# Allegro board rpi-cm4-carrierboard.brd
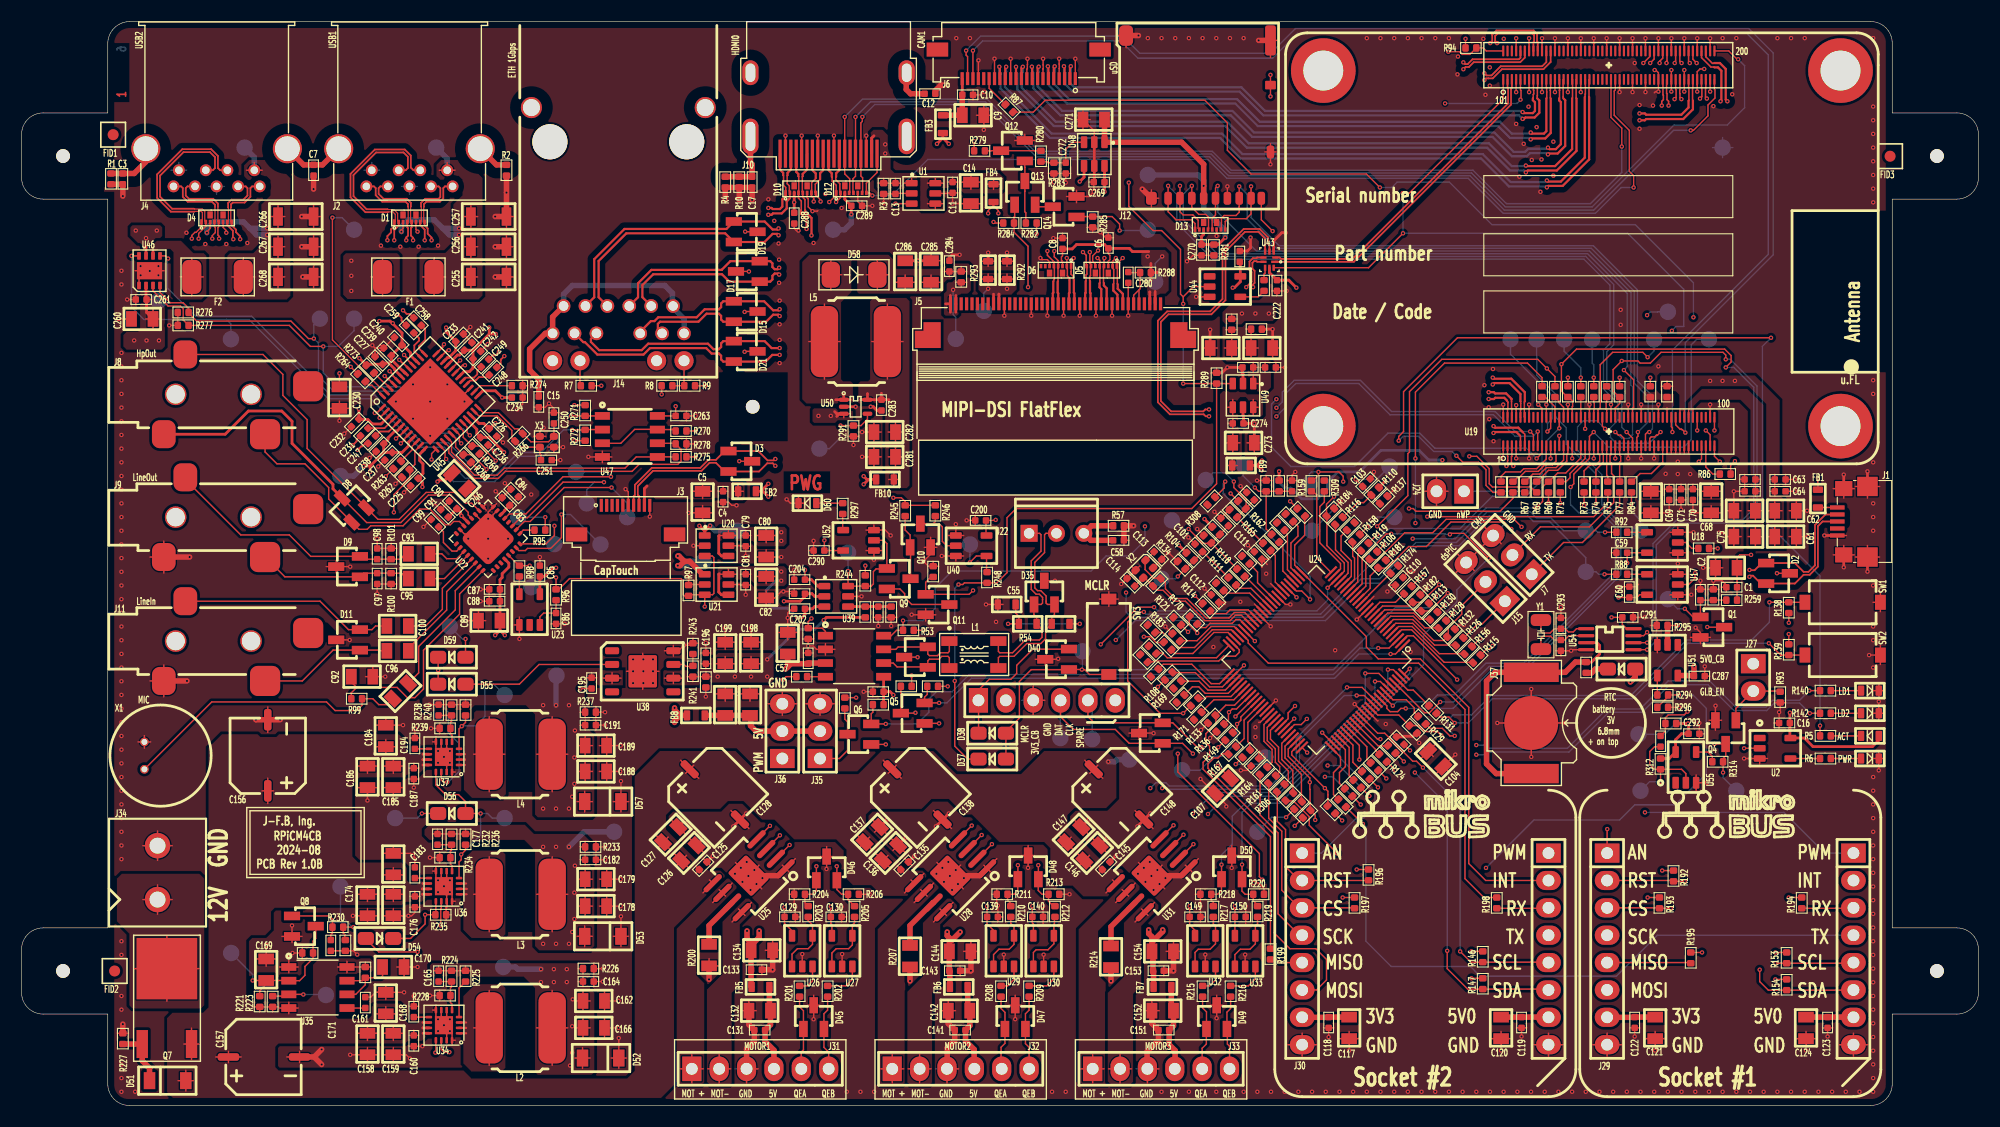
[diagram p0: board, top side]
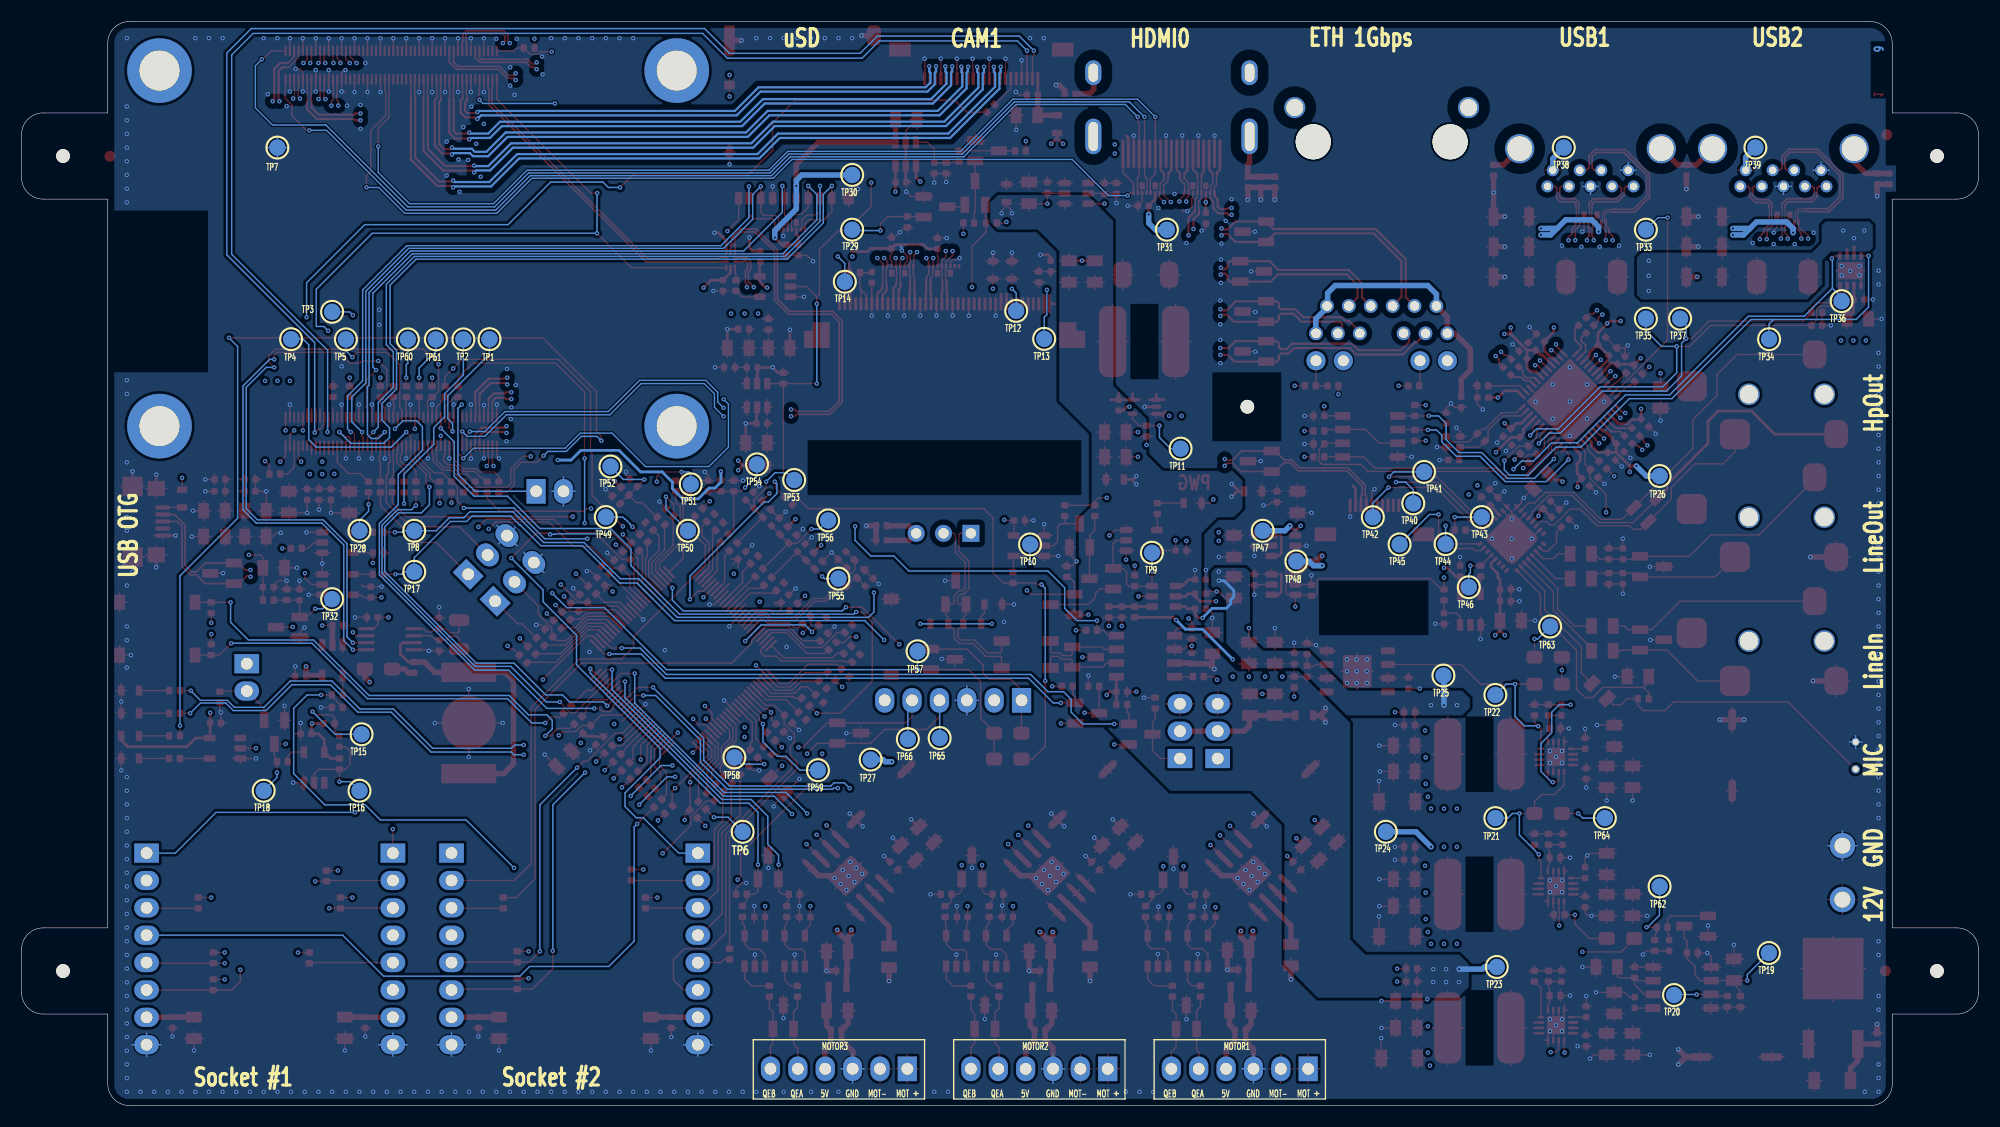
[diagram p1: board, bottom side, seen from below]

Outline 181.6 x 100.6 mm; copper layers: TOP, GND_INNER1, SIG_INNER2, POW_INNER3, GND_INNER4, BOTTOM. Coordinates in mm from the lower left corner of the outline.
Outline path: 0,90.12 0,86.12 arc(0.59,84.71) 2,84.12 8,84.12 8,16.48 2,16.48 arc(0.59,15.89) 0,14.48 0,10.48 arc(0.59,9.07) 2,8.48 8,8.48 8,2 arc(8.59,0.59) 10,0 171.6,0 arc(173.01,0.59) 173.6,2 173.6,8.48 179.6,8.48 arc(181.01,9.07) 181.6,10.48 181.6,14.48 arc(181.01,15.89) 179.6,16.48 173.6,16.48 173.6,84.12 179.6,84.12 arc(181.01,84.71) 181.6,86.12 181.6,90.12 arc(181.01,91.53) 179.6,92.12 173.6,92.12 173.6,98.6 arc(173.01,100.01) 171.6,100.6 10.05,100.6 arc(8.6,100) 8,98.55 8,92.12 2,92.12 arc(0.59,91.53) 0,90.12

## Design rules (mm)
constraint set DEFAULT: min track width 0.127
net group I2C0[0..1]: nets I2C0.SCL I2C0.SDA
net group I2C3[0..1]: nets I2C3.SCL I2C3.SDA
net group PCIE[0..7]: nets PCIE.PCIE_CLK_NREQ PCIE.PCIE_NRST
net group CAN_CTRL[0..2]: nets CAN_CTRL.RXD CAN_CTRL.STBY CAN_CTRL.TXD
net group DP_90R_NET: nets PCIE.PCIE_CLK_N PCIE.PCIE_CLK_P PCIE.PCIE_RX_N PCIE.PCIE_RX_P PCIE.PCIE_TX_N PCIE.PCIE_TX_P PETX_N PETX_P U3TD1_N U3TD1_P U3TD2_N U3TD2_P USB3_0.U2_N USB3_0.U2_P USB3_0.U3RXD_N USB3_0.U3RXD_P USB3_0.U3TXD_N USB3_0.U3TXD_P USB3_1.U2_N USB3_1.U2_P USB3_1.U3RXD_N USB3_1.U3RXD_P USB3_1.U3TXD_N USB3_1.U3TXD_P USB.USB_N USB.USB_P USB_HOST.USB_N USB_HOST.USB_P USB_OTG.USB_N USB_OTG.USB_P
net group DP_100R_NET: nets CAM1.CLK_N CAM1.CLK_P CAM1.D0_N CAM1.D0_P CAM1.D1_N CAM1.D1_P CAM1.D2_N CAM1.D2_P CAM1.D3_N CAM1.D3_P DSI1.CLK_N DSI1.CLK_P DSI1.D0_N DSI1.D0_P DSI1.D1_N DSI1.D1_P DSI1.D2_N DSI1.D2_P DSI1.D3_N DSI1.D3_P ETH.ETH_0_N ETH.ETH_0_P ETH.ETH_1_N ETH.ETH_1_P ETH.ETH_2_N ETH.ETH_2_P ETH.ETH_3_N ETH.ETH_3_P HDMI0.CLK_N HDMI0.CLK_P HDMI0.D0_N HDMI0.D0_P HDMI0.D1_N HDMI0.D1_P HDMI0.D2_N HDMI0.D2_P
net group DP_120R_NET: nets CAN_BUS.CAN_H CAN_BUS.CAN_L CAN_H CAN_L
net group ETH[0..10]: nets ETH.ETH_NLED1 ETH.ETH_NLED2 ETH.ETH_NLED3
net group HDMI0[0..11]: nets HDMI0.CEC HDMI0.HPD HDMI0.SCL HDMI0.SDA
net group I2S[0..3]: nets I2S.I2S_COFS I2S.I2S_DIN I2S.I2S_DOUT I2S.I2S_SCLK
net group JTAG[0..6]: nets JTAG.DSPIC_TDI JTAG.RTCK JTAG.TCK JTAG.TDI JTAG.TDO JTAG.TMS JTAG.TRST
net group MKB1[0..11]: nets MKB1.AN MKB1.CSN MKB1.INT MKB1.MISO MKB1.MOSI MKB1.PWM MKB1.RSTN MKB1.RX MKB1.SCK MKB1.SCL MKB1.SDA MKB1.TX
net group MKB2[0..11]: nets MKB2.AN MKB2.CSN MKB2.INT MKB2.MISO MKB2.MOSI MKB2.PWM MKB2.RSTN MKB2.RX MKB2.SCK MKB2.SCL MKB2.SDA MKB2.TX
net group MOTOR1[0..4]: nets MOTOR1.FAULTN MOTOR1.PWMH MOTOR1.PWML MOTOR1.QEIA MOTOR1.QEIB
net group MOTOR2[0..4]: nets MOTOR2.FAULTN MOTOR2.PWMH MOTOR2.PWML MOTOR2.QEIA MOTOR2.QEIB
net group MOTOR3[0..4]: nets MOTOR3.FAULTN MOTOR3.PWMH MOTOR3.PWML MOTOR3.QEIA MOTOR3.QEIB
net group SDIO[0..5]: nets SDIO.CLK SDIO.CMD SDIO.D0 SDIO.D1 SDIO.D2 SDIO.D3
net group SPI2[0..3]: nets SPI2.CSN SPI2.SCLK SPI2.SDI SPI2.SDO
net group USB[0..2]: nets USB.OTG_ID
net group USB_OTG[0..2]: nets USB_OTG.OTG_ID

## Placement (name value [footprint] x y rotation side)
C1  0.1u  [0402_CAP_IPC]  158.2 48.1 0 top
C2  1u  [0805_CAP]  159.1 49.9 180 top
C3  NP  [0402_CAP_IPC]  9.4 86.5 270 top
C4  0.1u  [0402_CAP_IPC]  65.1 56 90 top
C5  1u  [0805_CAP]  63.2 56.9 270 top
C6  0.1u  [0402_CAP_IPC]  100.85 80.55 270 top
C7  NP  [0402_CAP_IPC]  27.1 87.3 270 top
C8  0.1u  [0402_CAP_IPC]  96.6 80.5 270 top
C9  1u  [0805_CAP]  87.4 91.9 0 top
C10  0.1u  [0402_CAP_IPC]  88.3 93.8 180 top
C11  0.1u  [0402_CAP_IPC]  86.4 84.7 90 top
C12  NP  [0402_CAP_IPC]  83.8 93.9 0 top
C13  0.1u  [0402_CAP_IPC]  81.1 84.6 90 top
C14  1u  [0805_CAP]  88.1 85.6 270 top
C15  0.1u  [0402_CAP_IPC]  48 65.8 270 top
C16  0.1u  [0402_CAP_IPC]  163.1 35.5 0 top
C17  NP  [0402_CAP_IPC]  67.8 85.2 90 top
C54  0.1u  [0402_CAP_IPC]  79 38.4 0 top
C55  100p  [0603_CAP_IPC]  90.6 46.5 0 top
C56  0.1u  [0402_CAP_IPC]  73 42 270 top
C57  1u  [0805_CAP]  71.1 42 90 top
C58  NP  [0402_CAP_IPC]  101.3 52.45 0 top
C59  0.1u  [0402_CAP_IPC]  149 51.3 180 top
C60  0.1u  [0402_CAP_IPC]  149.2 47.15 90 top
C61  10u  [0805_CAP]  162.8 52.8 0 top
C62  1u  [0805_CAP]  162.8 55.2 0 top
C63  0.1u  [0402_CAP_IPC]  163.7 58.1 180 top
C64  0.1u  [0402_CAP_IPC]  163.7 57 180 top
C65  10u  [0805_CAP]  151.2 56.9 270 top
C68  1u  [0805_CAP]  156.8 56.9 270 top
C69  0.1u  [0402_CAP_IPC]  152.9 56.2 90 top
C70  0.1u  [0402_CAP_IPC]  155.1 56.2 90 top
C71  0.1u  [0402_CAP_IPC]  154 56.2 90 top
C75  10u  [0805_CAP]  160.8 52.8 180 top
C76  1u  [0805_CAP]  160.8 55.2 180 top
C77  0.1u  [0402_CAP_IPC]  159.9 57 0 top
C78  0.1u  [0402_CAP_IPC]  159.9 58.1 0 top
C79  0.1u  [0402_CAP_IPC]  67.2 51.9 90 top
C80  1u  [0805_CAP]  69.1 52.8 270 top
C81  0.1u  [0402_CAP_IPC]  67.2 48.3 90 top
C82  1u  [0805_CAP]  69.1 49 270 top
C83  1nF  [0402_CAP_IPC]  45.3 55.7 135 top
C84  0.1u  [0402_CAP_IPC]  45.4 57.2 315 top
C85  0.1u  [0402_CAP_IPC]  48.1 50.1 270 top
C86  0.1u  [0402_CAP_IPC]  49.6 44.7 90 top
C87  1nF  [0402_CAP_IPC]  44.4 47.9 180 top
C88  0.1u  [0402_CAP_IPC]  43.4 46.8 0 top
C89  10u  [0805_CAP]  44.3 45 180 top
C90  0.1u  [0402_CAP_IPC]  39.7 56.1 315 top
C91  1nF  [0402_CAP_IPC]  39.6 54.6 135 top
C92  1u  [0805_CAP]  32.5 39.8 180 top
C93  1u  [0805_CAP]  36 51.2 0 top
C94  1u  [0805_CAP]  35.8 39.1 225 top
C95  1u  [0805_CAP]  36 48.9 0 top
C96  1u  [0805_CAP]  35.8 42.2 180 top
C97  220pF  [0402_CAP_IPC]  33 49.4 270 top
C98  220pF  [0402_CAP_IPC]  33 50.7 90 top
C99  0.1u  [0402_CAP_IPC]  38 54.4 315 top
C100  1u  [0805_CAP]  35.8 44.5 180 top
C101  1nF  [0402_CAP_IPC]  109.6 51.4 135 top
C102  1nF  [0402_CAP_IPC]  112 53.8 135 top
C103  1nF  [0402_CAP_IPC]  124.45 57.45 45 top
C104  10u  [0805_CAP]  130.6 32.8 315 top
C107  1u  [0805_CAP]  112.1 30.3 225 top
C108  0.1u  [0402_CAP_IPC]  114.1 31.5 45 top
C109  0.1u  [0402_CAP_IPC]  128.3 33.5 135 top
C110  0.1u  [0402_CAP_IPC]  128.2 49 225 top
C111  0.1u  [0402_CAP_IPC]  114.4 51.4 315 top
C112  0.1u  [0402_CAP_IPC]  110.4 47.4 315 top
C113  13pF  [0402_CAP_IPC]  105.1 51.4 315 top
C114  13pF  [0402_CAP_IPC]  103.3 48.2 135 top
C115  1nF  [0402_CAP_IPC]  114.4 56.2 135 top
C116  1nF  [0402_CAP_IPC]  117.9 57 90 top
C117  1u  [0805_CAP]  123.2 8.1 270 top
C118  0.1u  [0402_CAP_IPC]  121.3 7.2 90 top
C119  0.1u  [0402_CAP_IPC]  139.2 7.2 90 top
C120  1u  [0805_CAP]  137.3 8.1 270 top
C121  1u  [0805_CAP]  151.6 8.1 270 top
C122  0.1u  [0402_CAP_IPC]  149.7 7.2 90 top
C123  0.1u  [0402_CAP_IPC]  167.6 7.2 90 top
C124  1u  [0805_CAP]  165.6 8.1 270 top
C125  0.1u  [0402_CAP_IPC]  63.6 22.6 225 top
C126  1u  [0805_CAP]  61.3 22.8 45 top
C127  10u  [0805_CAP]  59.6 24.5 45 top
C128  100uF  [ALUM_CAP_6_6MM]  62 31.2 315 top
C129  0.1u  [0402_CAP_IPC]  71.8 17.5 180 top
C130  0.1u  [0402_CAP_IPC]  76.1 17.5 180 top
C131  0.1u  [0402_CAP_IPC]  68 7 0 top
C132  1u  [0805_CAP]  69.4 8.8 180 top
C133  0.1u  [0402_CAP_IPC]  68.7 12.6 180 top
C134  1u  [0805_CAP]  67.8 14.4 0 top
C135  0.1u  [0402_CAP_IPC]  82.3 22.6 225 top
C136  1u  [0805_CAP]  80 22.8 45 top
C137  10u  [0805_CAP]  78.3 24.5 45 top
C138  100uF  [ALUM_CAP_6_6MM]  80.8 31.2 315 top
C139  0.1u  [0402_CAP_IPC]  90.6 17.5 180 top
C140  0.1u  [0402_CAP_IPC]  94.8 17.5 180 top
C141  0.1u  [0402_CAP_IPC]  86.6 7 0 top
C142  1u  [0805_CAP]  87.9 8.8 180 top
C143  0.1u  [0402_CAP_IPC]  87.1 12.5 180 top
C144  1u  [0805_CAP]  86.2 14.3 0 top
C145  0.1u  [0402_CAP_IPC]  101 22.6 225 top
C146  1u  [0805_CAP]  98.7 22.8 45 top
C147  10u  [0805_CAP]  97 24.5 45 top
C148  100uF  [ALUM_CAP_6_6MM]  99.5 31.2 315 top
C149  0.1u  [0402_CAP_IPC]  109.4 17.5 180 top
C150  0.1u  [0402_CAP_IPC]  113.6 17.5 180 top
C151  0.1u  [0402_CAP_IPC]  105.5 7 0 top
C152  1u  [0805_CAP]  106.8 8.8 180 top
C153  0.1u  [0402_CAP_IPC]  106 12.5 180 top
C154  1u  [0805_CAP]  105 14.3 0 top
C156  100uF  [ALUM_CAP_6_6MM]  22.85 29.2 90 top
C157  100uF  [ALUM_CAP_6_6MM]  19.2 4.5 0 top
C158  10u  [0805_CAP]  32.1 6.6 270 top
C159  1u  [0805_CAP]  34.5 6.6 270 top
C160  0.1u  [0402_CAP_IPC]  36.4 5.5 90 top
C161  10u  [0805_CAP]  33.8 8.6 90 top
C162  10u  [0805_CAP]  52.2 9.7 0 top
C164  0.1u  [0402_CAP_IPC]  53.1 11.5 180 top
C165  NP  [0402_CAP_IPC]  38.7 11.5 90 top
C166  10u  [0805_CAP]  52.2 7.2 0 top
C168  10nF  [0402_CAP_IPC]  36.4 9.2 270 top
C169  1u  [0805_CAP]  22.7 11.7 90 top
C170  10u  [0805_CAP]  33.6 12.85 0 top
C171  10nF  [0402_CAP_IPC]  31.9 9.05 90 top
C172  0.1u  [0402_CAP_IPC]  28.7 14.35 90 top
C173  10u  [0805_CAP]  32.1 19.5 270 top
C174  10u  [0805_CAP]  34.5 21.5 90 top
C175  1u  [0805_CAP]  34.5 19.5 270 top
C176  0.1u  [0402_CAP_IPC]  36.5 18.4 90 top
C177  NP  [0402_CAP_IPC]  38.6 24.2 90 top
C178  10u  [0805_CAP]  52.4 18.5 0 top
C179  10u  [0805_CAP]  52.4 21 0 top
C182  0.1u  [0402_CAP_IPC]  53.3 22.8 180 top
C183  10nF  [0402_CAP_IPC]  36.5 22.1 270 top
C184  10u  [0805_CAP]  33.8 33.4 90 top
C185  1u  [0805_CAP]  34.5 31.4 270 top
C186  10u  [0805_CAP]  32.1 31.4 270 top
C187  0.1u  [0402_CAP_IPC]  36.4 30.3 90 top
C188  10u  [0805_CAP]  52.4 31 0 top
C189  10u  [0805_CAP]  52.4 33.4 0 top
C191  0.1u  [0402_CAP_IPC]  53.3 35.3 180 top
C192  NP  [0402_CAP_IPC]  38.7 36.2 90 top
C194  10nF  [0402_CAP_IPC]  36.5 34.1 270 top
C195  0.1u  [0402_CAP_IPC]  52.9 39.7 270 top
C196  0.1u  [0402_CAP_IPC]  63.5 42 270 top
C198  10u  [0805_CAP]  67.7 41.1 90 top
C199  10u  [0805_CAP]  65.3 41.1 90 top
C200  0.1u  [0402_CAP_IPC]  89.5 54.3 180 top
C201  1nF  [0402_CAP_IPC]  79.5 46.3 270 top
C202  1nF  [0402_CAP_IPC]  72.7 46.1 180 top
C203  1nF  [0402_CAP_IPC]  72.7 47.5 180 top
C204  1nF  [0402_CAP_IPC]  72.7 48.8 180 top
C205  1u  [0805_CAP]  67.6 36.3 90 top
C206  1u  [0805_CAP]  65.3 36.3 90 top
C222  0.1u  [0402_CAP_IPC]  116.5 75.6 90 top
C223  0.1u  [0402_CAP_IPC]  155.8 47.9 270 top
C224  0.1u  [0402_CAP_IPC]  113.05 79.3 270 top
C225  0.1u  [0402_CAP_IPC]  36.1 57.5 45 top
C226  0.1u  [0402_CAP_IPC]  44.1 62.1 135 top
C227  0.1u  [0402_CAP_IPC]  32.8 69.5 315 top
C230  10u  [0805_CAP]  29.5 66.6 270 top
C231  0.1u  [0402_CAP_IPC]  31.45 62.15 45 top
C232  0.1u  [0402_CAP_IPC]  30.6 63 45 top
C233  0.1u  [0402_CAP_IPC]  41 71.6 225 top
C234  0.1u  [0402_CAP_IPC]  46.5 65.7 180 top
C236  0.1u  [0402_CAP_IPC]  43.3 61.3 135 top
C237  0.1u  [0402_CAP_IPC]  33.7 59.9 45 top
C238  0.1u  [0402_CAP_IPC]  32.9 60.7 45 top
C239  0.1u  [0402_CAP_IPC]  33.6 70.3 315 top
C240  0.1u  [0402_CAP_IPC]  34.6 71.3 315 top
C241  0.1u  [0402_CAP_IPC]  41.8 70.8 225 top
C242  0.1u  [0402_CAP_IPC]  42.6 70 225 top
C246  10u  [0805_CAP]  40 58.6 315 top
C247  0.1u  [0402_CAP_IPC]  32.15 61.45 45 top
C248  0.1u  [0402_CAP_IPC]  43.4 67.8 45 top
C249  0.1u  [0402_CAP_IPC]  42.65 68.55 45 top
C250  13pF  [0402_CAP_IPC]  49.4 63.3 90 top
C251  13pF  [0402_CAP_IPC]  48.2 59.9 0 top
C255  47u  [1206_CAP]  41.9 76.9 0 top
C256  47u  [1206_CAP]  41.9 79.7 0 top
C257  47u  [1206_CAP]  41.9 82.5 0 top
C258  0.1u  [0402_CAP_IPC]  37.1 72.4 135 top
C259  0.1u  [0402_CAP_IPC]  36.4 71.7 135 top
C260  1u  [0805_CAP]  12.1 73 180 top
C261  0.1u  [0402_CAP_IPC]  10.6 74.8 0 top
C263  0.1u  [0402_CAP_IPC]  61.7 64 180 top
C266  47u  [1206_CAP]  24 82.5 0 top
C267  47u  [1206_CAP]  24 79.7 0 top
C268  47u  [1206_CAP]  24 76.9 0 top
C269  0.1u  [0402_CAP_IPC]  99.5 85.7 0 top
C270  0.1u  [0402_CAP_IPC]  109.5 78.9 90 top
C271  10u  [0805_CAP]  100.4 91.5 180 top
C272  NP  [0402_CAP_IPC]  96.9 87.5 270 top
C273  1u  [0805_CAP]  112.5 61.5 0 top
C274  0.1u  [0402_CAP_IPC]  113.4 63.3 180 top
C275  0.1u  [0402_CAP_IPC]  113.3 68.5 0 top
C276  0.1u  [0402_CAP_IPC]  116.4 68.5 180 top
C277  1u  [0805_CAP]  112.2 70.3 180 top
C279  10u  [0805_CAP]  114.2 70.3 0 top
C280  0.1u  [0402_CAP_IPC]  102.7 76.35 90 top
C281  1u  [0805_CAP]  81 60.2 180 top
C282  1u  [0805_CAP]  81 62.5 180 top
C283  0.1u  [0402_CAP_IPC]  79.8 64.5 90 top
C284  0.1u  [0402_CAP_IPC]  86.1 78.4 270 top
C285  1u  [0805_CAP]  84.4 76.5 90 top
C286  1u  [0805_CAP]  82 76.5 90 top
C287  0.1u  [0402_CAP_IPC]  156.2 39.85 180 top
C288  0.1u  [0402_CAP_IPC]  71.7 81.85 90 top
C289  0.1u  [0402_CAP_IPC]  78 83.5 180 top
C290  0.1u  [0402_CAP_IPC]  74.5 51.5 180 top
C291  0.1u  [0402_CAP_IPC]  149.55 45.3 180 top
C292  0.1u  [0402_CAP_IPC]  154.7 34.5 0 top
C293  10p  [0402_CAP_IPC]  142.85 45.25 270 top
C294  0.1u  [0402_CAP_IPC]  152.1 34.3 270 top
C295  10p  [0402_CAP_IPC]  142.85 42.2 90 top
D1  ESD7016MUTAG  [10-UFDFN]  34.6 82 0 top
D2  D1213A-02SOL-7  [SOT23-3]  161.9 50.4 0 top
D3  D1213A-02SOL-7  [SOT23-3]  65.6 60.8 0 top
D4  ESD7016MUTAG  [10-UFDFN]  16.7 82 0 top
D5  ESD7016MUTAG  [10-UFDFN]  101.65 77.9 180 top
D6  ESD7016MUTAG  [10-UFDFN]  97.4 77.9 180 top
D8  D1213A-02SOL-7  [SOT23-3]  30.6 54.1 135 top
D9  D1213A-02SOL-7  [SOT23-3]  31.4 49 180 top
D10  ESD7016MUTAG  [10-UFDFN]  70.9 84.7 0 top
D11  D1213A-02SOL-7  [SOT23-3]  31.4 42.2 180 top
D12  ESD7016MUTAG  [10-UFDFN]  75.6 84.7 0 top
D13  ESD7016MUTAG  [10-UFDFN]  108.9 81.3 0 top
D15  D1213A-02SOL-7  [SOT23-3]  66.1 74.7 0 top
D16  LED_GRN_0603  [0603_LED]  170.7 34.3 0 top
D17  D1213A-02SOL-7  [SOT23-3]  68.5 76.4 180 top
D19  D1213A-02SOL-7  [SOT23-3]  66.1 82.1 0 top
D20  LED_GRN_0603  [0603_LED]  172.35 32.2 180 top
D21  D1213A-02SOL-7  [SOT23-3]  66.1 71 0 top
D34  ESDCAN24-2BLY  [SOT23-3]  84.1 40.6 180 top
D35  ESDCAN24-2BLY  [SOT23-3]  93.9 46.5 90 top
D37  BAT42WS-TP  [SOD323]  91.35 32.15 180 top
D38  BAT42WS-TP  [SOD323]  91.35 34.55 180 top
D39  D1213A-02SOL-7  [SOT23-3]  105.9 33.55 180 top
D40  D1213A-02SOL-7  [SOT23-3]  97.2 40.4 180 top
D41  LED_GRN_0603  [0603_LED]  172.35 38.5 180 top
D43  LED_GRN_0603  [0603_LED]  172.35 36.4 180 top
D45  SM05T1G  [SOT23-3]  72.5 7.1 90 top
D46  D1213A-02SOL-7  [SOT23-3]  73.7 20.9 90 top
D47  SM05T1G  [SOT23-3]  91.2 7.1 90 top
D48  D1213A-02SOL-7  [SOT23-3]  92.4 21 90 top
D49  SM05T1G  [SOT23-3]  109.9 7.1 90 top
D50  D1213A-02SOL-7  [SOT23-3]  111.3 21 90 top
D51  MMSZ5242B  [SOD123]  13.4 2.3 0 top
D52  MMSZ5231B  [SOD123]  53.9 4.4 180 top
D53  MMSZ5226B  [SOD123]  54.1 15.7 180 top
D54  BAT42WS-TP  [SOD323]  31.95 15.5 0 top
D55  BAT42WS-TP  [SOD323]  41.2 39.1 180 top
D56  BAT42WS-TP  [SOD323]  41.2 27.1 180 top
D57  DDZ9678-7  [SOD123]  54.1 28.2 180 top
D58  SK34A-LTP  [DO-214AC]  75.1 77.1 0 top
D59  BAT42WS-TP  [SOD323]  41.2 41.6 180 top
D60  LED_GRN_0603  [0603_LED]  72.1 55.9 0 top
D61  BAT42WS-TP  [SOD323]  149.75 40.5 180 top
F1  MINISMDC050F-2  [1812_PTC]  33.5 76.9 0 top
F2  MINISMDC050F-2  [1812_PTC]  15.8 76.9 0 top
FB1  BLM18PG121SN1D  [0603_FB]  166.7 55.5 90 top
FB2  BLM18PG121SN1D  [0603_FB]  66.5 57 0 top
FB3  BLM18PG121SN1D  [0603_FB]  85.5 91.9 270 top
FB4  BLM18PG121SN1D  [0603_FB]  90.2 85.5 270 top
FB5  BLM18PG121SN1D  [0603_FB]  69.4 11 180 top
FB6  BLM18PG121SN1D  [0603_FB]  87.8 11 180 top
FB7  BLM18PG121SN1D  [0603_FB]  106.7 11 180 top
FB8  BLM18PG121SN1D  [0603_FB]  63.4 36.2 180 top
FB9  BLM18PG121SN1D  [0603_FB]  114 59.4 180 top
FB10  BLM18PG121SN1D  [0603_FB]  79.3 58.1 0 top
FID1  Fiducial  [FIDUCIAL_CIR40MIL]  8.5 90.1 0 top
FID2  Fiducial  [FIDUCIAL_CIR40MIL]  8.64 12.48 0 top
FID3  Fiducial  [FIDUCIAL_CIR40MIL]  173.4 88.1 0 top
J1  uUSB-B  [UUSB-B]  168.5 52.9 90 top
J2  -  [484050003]  39.5 86.8 180 top
J3  -  [5051101092]  53.8 55.7 0 top
J4  -  [484050003]  21.6 86.8 180 top
J5  -  [62684-402100ALF]  86.2 74.4 0 top
J6  -  [5051102291]  97.79 95.3 180 top
J7  HEADER 3  [SMALL_HEADER3P100]  140.15 49.3 135 top
J8  -  [SJ-352X-SMT]  14.3 66 0 top
J9  -  [SJ-352X-SMT]  14.3 54.6 0 top
J10  -  [2086581001]  70.39 88.34 180 top
J11  -  [SJ-352X-SMT]  14.3 43.1 0 top
J12  DM3AT-SF-PEJM5  [DM3AT]  106.4 84.2 180 top
J14  -  [0826-1X1T-32-F]  50.3 74.2 0 top
J15  HEADER 3  [SMALL_HEADER3P100]  137.65 46.8 135 top
J22  HEADER 3  [MOLEX3P100]  93.5 53.1 0 top
J24  HEADER 2  [SMALL_HEADER2P100]  133.85 57 180 top
J27  HEADER 2  [SMALL_HEADER2P100]  160.7 41 270 top
J28  HEADER 6  [SMALL_HEADER6P100]  88.8 37.6 0 top
J29  MikroBUS interface  [MIKROBUS]  144.6 3.1 0 top
J30  MikroBUS interface  [MIKROBUS]  116.3 3.1 0 top
J31  HEADER 6  [SMALL_HEADER6P100]  62.2 3.4 0 top
J32  HEADER 6  [SMALL_HEADER6P100]  80.8 3.4 0 top
J33  HEADER 6  [SMALL_HEADER6P100]  99.4 3.4 0 top
J34  HEADER 2  [TERMBLOCK_5MM_2POS]  12.62 19.11 90 top
J35  HEADER 3  [SMALL_HEADER3P100]  74.1 32.2 90 top
J36  HEADER 3  [SMALL_HEADER3P100]  70.6 32.2 90 top
J37  -  [2998TR]  140.1 40.2 270 top
L1  ACT45B-220  [ACT45B]  86.1 43.1 0 top
L2  2.2u  [SRN8040TA]  43.4 7.2 0 top
L3  2.2u  [SRN8040TA]  43.4 19.6 0 top
L4  2.2u  [SRN8040TA]  43.4 32.6 0 top
L5  4.7u  [SRN8040TA]  80.35 70.9 180 top
NOREF  -  [unnamed]  3.85 12.48 0 top
NOREF#2  -  [#2]  3.85 88.12 0 top
NOREF#3  -  [#2]  0 89.9 0 top
NOREF#4  -  [#2]  8 0 0 top
NOREF#5  -  [unnamed#2]  95.95 59.2 0 top
NOREF#6  -  [#2]  3.85 12.48 90 top
NOREF#7  -  [#2]  3.85 88.12 0 top
NOREF#8  -  [unnamed]  67.85 64.85 0 top
NOREF#9  -  [unnamed]  3.85 88.12 0 top
NOREF#10  -  [#2]  10.05 0 90 top
NOREF#11  -  [unnamed]  177.75 12.48 0 top
NOREF#12  -  [#2]  8 0 0 top
NOREF#13  -  [unnamed#3]  56.12 46.18 0 top
NOREF#14  -  [unnamed]  177.75 88.12 0 top
NOREF#15  -  [#2]  67.85 64.85 90 top
Q1  2N7002  [SOT23-3]  155.8 45.4 0 top
Q4  2N7002  [SOT23-3]  159.15 35.75 270 top
Q5  2N7002  [SOT23-3]  83.8 35.4 180 top
Q6  2N7002  [SOT23-3]  78.85 33.45 180 top
Q7  P-FET 60V 7.2A  [TO-252-3]  11.2 5.7 0 top
Q8  2N7002  [SOT23-3]  25.1 17.65 0 top
Q9  2N7002  [SOT23-3]  80.3 49.9 0 top
Q10  2N7002  [SOT23-3]  82.4 51.8 90 top
Q11  2N7002  [SOT23-3]  83.9 47.5 0 top
Q12  2N7002  [SOT23-3]  93.1 87.6 180 top
Q13  2N7002  [SOT23-3]  92.1 83.6 90 top
Q14  2N7002  [SOT23-3]  97.9 82.4 180 top
R1  0R  [0402_RES_IPC]  8.3 86.5 270 top
R2  0R  [0402_RES_IPC]  45 87.3 270 top
R3  10K  [0402_RES_IPC]  80 84.6 90 top
R4  0R  [0402_RES_IPC]  65.3 86.2 270 top
R5  470R  [0402_RES_IPC]  166.9 34.3 0 top
R6  470R  [0402_RES_IPC]  166.9 32.2 0 top
R7  470R  [0402_RES_IPC]  51.9 66.8 0 top
R8  NP  [0402_RES_IPC]  59.4 66.8 0 top
R9  470R  [0402_RES_IPC]  61.5 66.8 0 top
R10  0R  [0402_RES_IPC]  66.6 85.2 90 top
R53  10K  [0402_RES_IPC]  82.8 44.1 180 top
R54  60R4  [0603_RES_IPC]  94.2 44.7 180 top
R55  22R  [0402_RES_IPC]  71.9 39.8 0 top
R56  60R4  [0603_RES_IPC]  95.6 44.7 0 top
R57  0R  [0402_RES_IPC]  101.3 53.8 0 top
R58  10K  [0402_RES_IPC]  73 44.3 270 top
R60  10K  [0402_RES_IPC]  141.7 56.9 90 top
R61  22R  [0402_RES_IPC]  137.3 56.9 90 top
R62  22R  [0402_RES_IPC]  138.4 56.9 90 top
R63  4K7  [0402_RES_IPC]  143.5 66.75 270 top
R64  4K7  [0402_RES_IPC]  148.3 66.75 270 top
R66  22R  [0402_RES_IPC]  141.1 65.75 90 top
R67  22R  [0402_RES_IPC]  139.5 56.9 90 top
R68  22R  [0402_RES_IPC]  142.3 66.75 270 top
R69  22R  [0402_RES_IPC]  140.6 56.9 90 top
R70  22R  [0402_RES_IPC]  144.7 65.75 90 top
R71  22R  [0402_RES_IPC]  142.8 56.9 90 top
R72  22R  [0402_RES_IPC]  145.9 65.75 90 top
R73  22R  [0402_RES_IPC]  145 56.9 90 top
R74  22R  [0402_RES_IPC]  146.1 56.9 90 top
R75  22R  [0402_RES_IPC]  147.2 56.9 90 top
R76  22R  [0402_RES_IPC]  147.1 66.75 270 top
R77  22R  [0402_RES_IPC]  148.3 56.9 90 top
R83  0R  [0402_RES_IPC]  151.15 66.75 270 top
R84  22R  [0402_RES_IPC]  149.4 56.9 90 top
R85  NP  [0402_RES_IPC]  152.7 66.75 270 top
R86  22R  [0402_RES_IPC]  158.6 58.6 180 top
R87  22R  [0402_RES_IPC]  91.3 92.9 315 top
R88  22R  [0402_RES_IPC]  149 49.3 180 top
R89  22R  [0402_RES_IPC]  156.6 51.7 180 top
R92  22R  [0402_RES_IPC]  149 53.2 180 top
R93  10K  [0402_RES_IPC]  163.2 38.4 270 top
R94  NP  [0402_RES_IPC]  134 98.15 0 top
R95  22R  [0402_RES_IPC]  47.6 53.4 0 top
R96  10K  [0402_RES_IPC]  49.6 47.9 270 top
R97  10K  [0402_RES_IPC]  61.9 47.3 90 top
R98  22R  [0402_RES_IPC]  46.2 50.1 270 top
R99  2K2  [0402_RES_IPC]  30.6 37.75 0 top
R100  100K  [0402_RES_IPC]  34.3 48.4 90 top
R101  100K  [0402_RES_IPC]  34.3 51.7 270 top
R102  22R  [0402_RES_IPC]  123.7 54.1 225 top
R103  22R  [0402_RES_IPC]  124.3 29.5 135 top
R104  10K  [0402_RES_IPC]  108.1 51.3 315 top
R105  8K06  [0402_RES_IPC]  110.5 53.7 315 top
R106  10K  [0402_RES_IPC]  125.8 51.4 225 top
R108  10K  [0402_RES_IPC]  106.1 39.5 45 top
R109  10K  [0402_RES_IPC]  118.9 26.7 45 top
R110  30K1  [0402_RES_IPC]  125.25 56.65 45 top
R111  10K  [0402_RES_IPC]  112 49 315 top
R112  22R  [0402_RES_IPC]  116.5 54.1 315 top
R113  10K  [0402_RES_IPC]  130.6 46.6 225 top
R114  22R  [0402_RES_IPC]  109.6 46.6 315 top
R115  22R  [0402_RES_IPC]  135.4 41.8 225 top
R116  100K  [0402_RES_IPC]  121.9 53.9 45 top
R117  22R  [0402_RES_IPC]  125.1 30.3 135 top
R118  10K  [0402_RES_IPC]  112.8 49.8 315 top
R119  22R  [0402_RES_IPC]  125 52.2 225 top
R120  22R  [0402_RES_IPC]  125.9 31.1 135 top
R121  22R  [0402_RES_IPC]  106.9 45.3 315 top
R122  22R  [0402_RES_IPC]  106 43 315 top